# Altium PCB PCB1.PcbDoc (part 1 of 2)
Units mm, origin at the board's own origin, x right, y up, seen from the top; angles counter-clockwise.
Board outline 145 x 85 mm, 2 copper layers (Top Layer, Bottom Layer); 148 components, 104 nets, 508 pads, 93 vias.
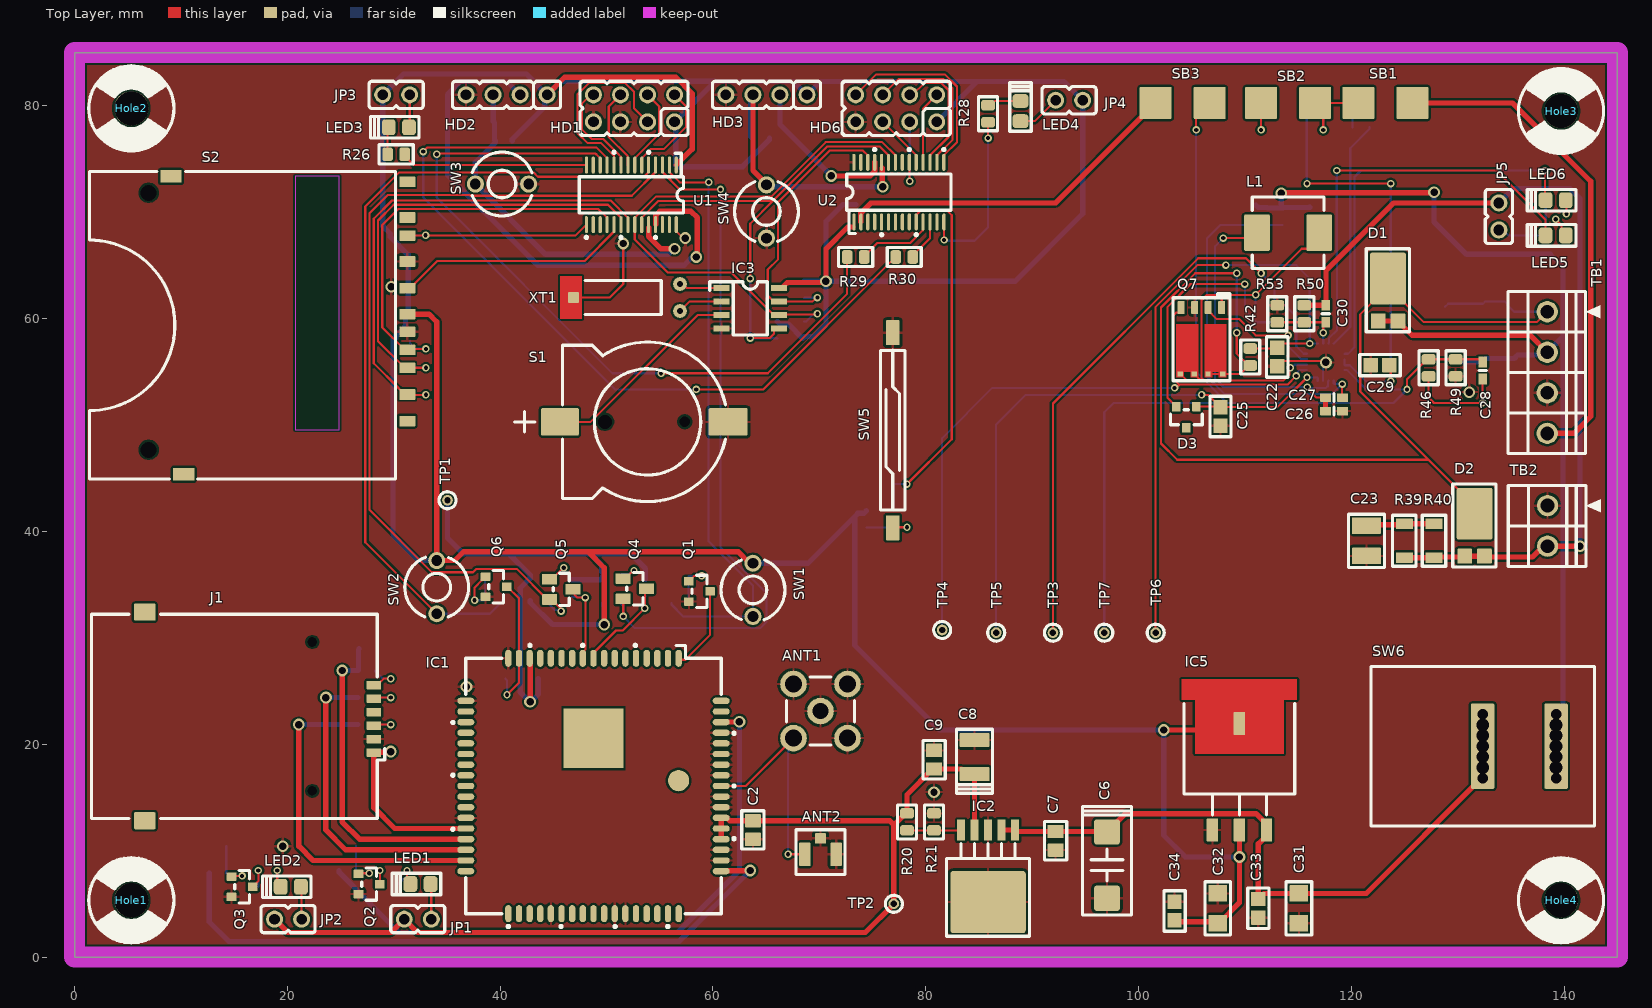
[diagram p0: Top Layer view]
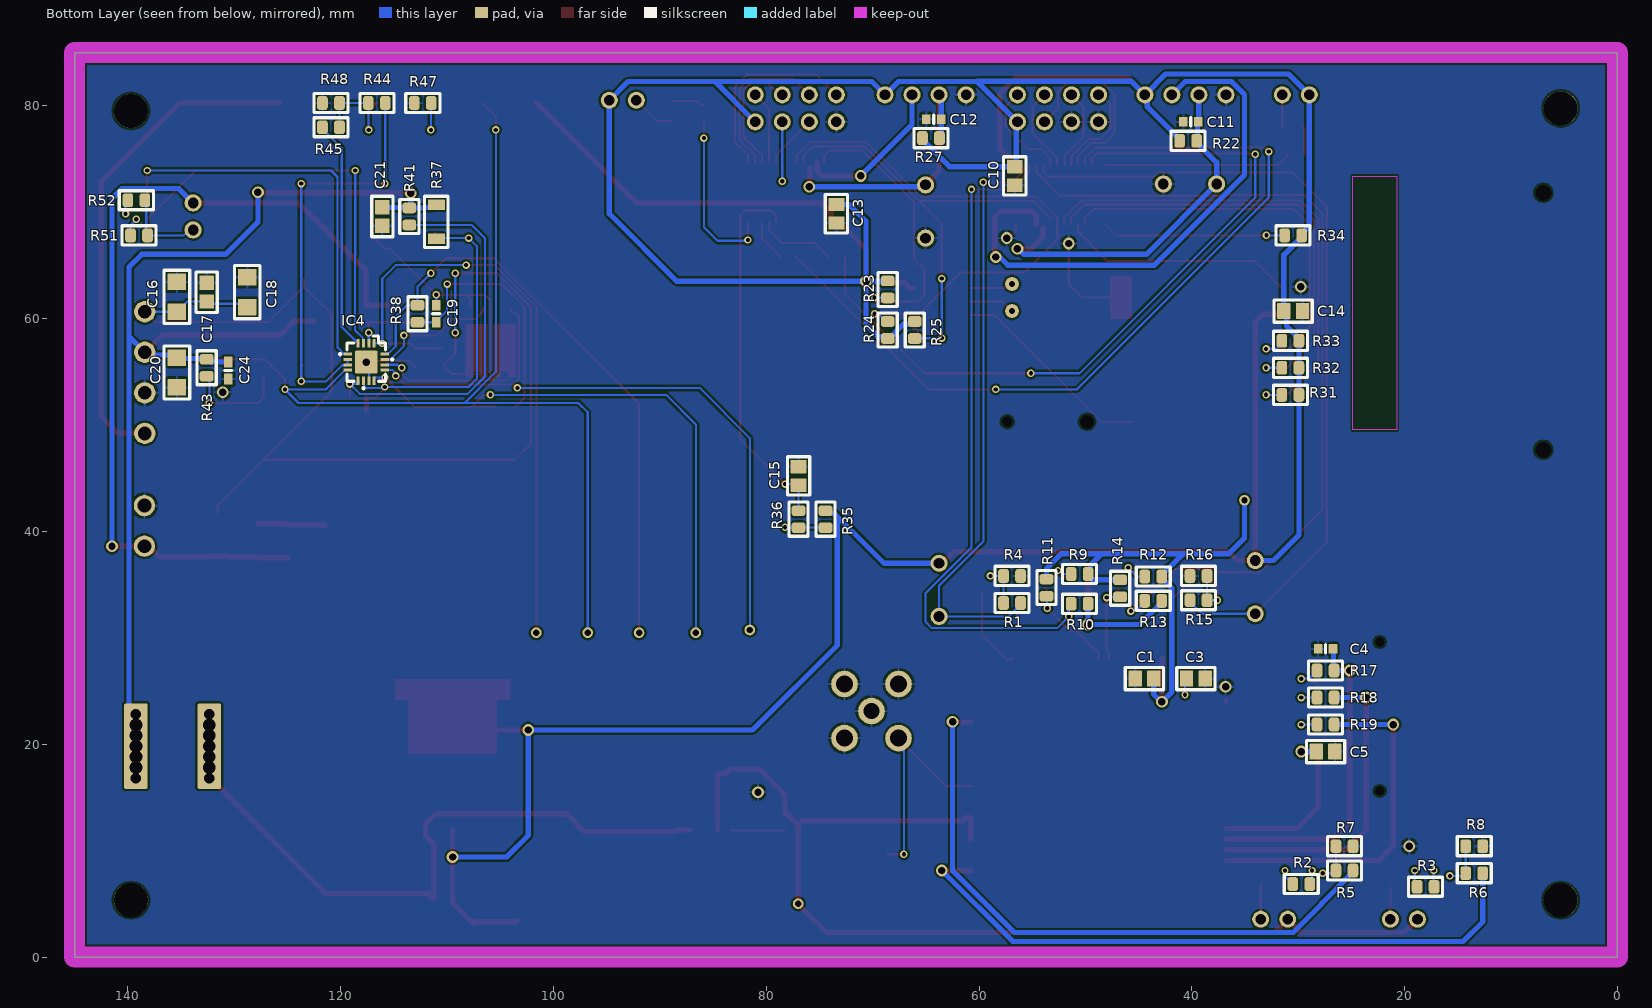
[diagram p1: Bottom Layer view, seen from below]
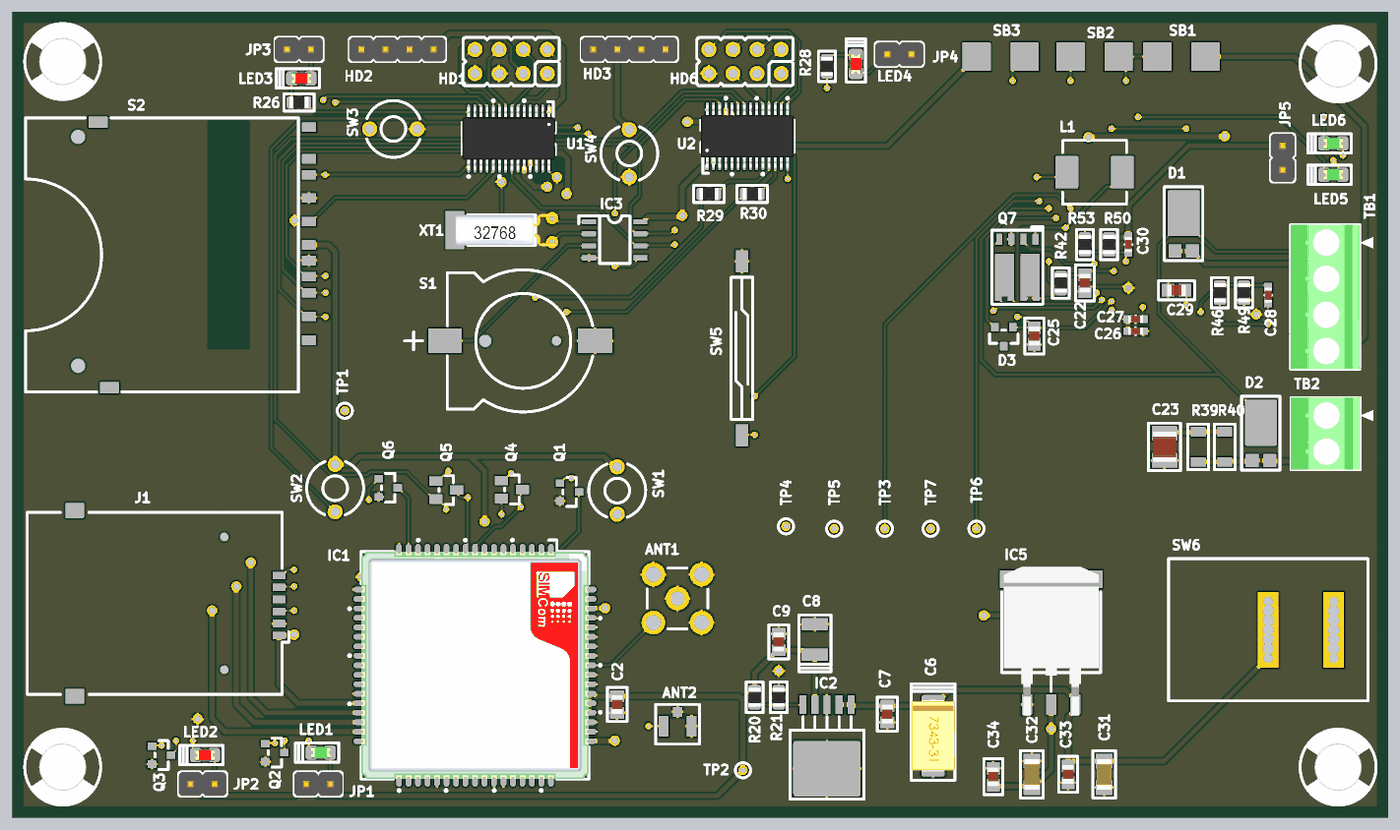
[diagram p3: 3D render of the assembled board from above, using the file's embedded part models]
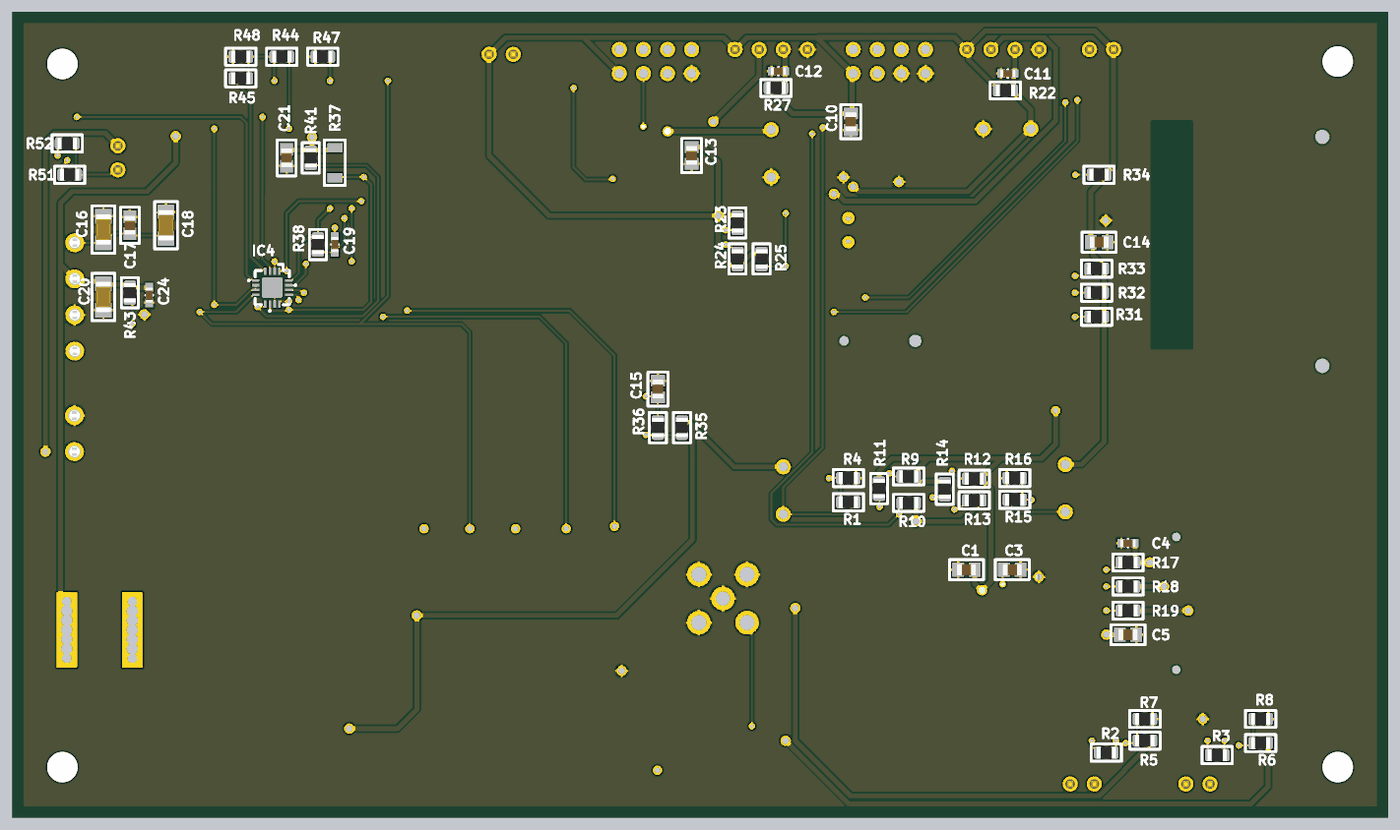
[diagram p4: 3D render of the assembled board from below, using the file's embedded part models]

## Layer stack, top to bottom
Top Solder: solder mask 0.0102, Solder Resist, Dk 3.5
Top Layer: signal copper 0.0356
Dielectric 1: dielectric 0.32, FR-4, Dk 4.8
Bottom Layer: signal copper 0.0356
Bottom Solder: solder mask 0.0102, Solder Resist, Dk 3.5

## Board outline
0,0 0,85 145,85 145,0

## Design rules (kind name [scope] priority, off if disabled: settings)
Clearance [All] p1: gap=0.2 ignorepadtopadclearanceinfootprint=FALSE
PolygonConnect [All] p1: connectstyle=Relief reliefconductorwidth=0.254 reliefentries=4 polygonreliefangle="90 Angle" airgapwidth=0.254
RoutingVias RoutingVias_powerclass [InNetClass('Power_class')] p1: holewidth=0.7 width=1.1 viastyle="Through Hole" minholewidth=0.7 minwidth=1.1 maxholewidth=0.7 maxwidth=1.1
RoutingVias [All] p2: holewidth=0.4 width=0.7 viastyle="Through Hole" minholewidth=0.4 minwidth=0.7 maxholewidth=0.4 maxwidth=0.7
SolderMaskExpansion [All] p1: expansion=0.102 istentingtop=FALSE
Width Powe_width [InNetClass('Power_class')] p1: maxlimit=1 minlimit=0.2 preferedwidth=0.5
Width [All] p2: maxlimit=1 minlimit=0.2 preferedwidth=0.5
30 further rules are at their usual default settings.

## Classes and differential pairs
net class Power_class: 2V8 3V3 GND NETLIGHT RST RST2 SIM_CLK SIM_DATA SIM_RST SIM_VDD STATUS TEST TEST2 VBAT VPIN VPOUT VSIM
component class A-Power: C16 C17 C18 C19 C20 C21 C22 C23 C24 C25 C26 C27 C28 C29 C30 C31 C32 C33 C34 D1 D2 D3 IC4 IC5 JP5 L1 LED5 LED6 Q7 R37 R38 R39 R40 R41 R42 R43 R44 R45 R46 R47 R48 R49 R50 R51 R52 R53 SB1 SB2 SB3 SW6 TB1 TB2 TP3 TP4 TP5 TP6 TP7
component class A-Main: C10 C11 C12 C13 C14 C15 HD1 HD2 HD3 HD6 Hole1 Hole2 Hole3 Hole4 IC3 JP3 JP4 LED3 LED4 R22 R23 R24 R25 R26 R27 R28 R29 R30 R31 R32 R33 R34 R35 R36 S1 S2 SW3 SW4 SW5 U1 U2 XT1
component class A-GSM: ANT1 ANT2 C1 C2 C3 C4 C5 C6 C7 C8 C9 IC1 IC2 J1 JP1 JP2 LED1 LED2 Q1 Q2 Q3 Q4 Q5 Q6 R1 R2 R3 R4 R5 R6 R7 R8 R9 R10 R11 R12 R13 R14 R15 R16 R17 R18 R19 R20 R21 SW1 SW2 TP1 TP2

## Components (designator, comment, footprint, x,y, rotation, side; value= is the part's Value field where it differs from the comment)
ANT1 "ANTEN-SMA" ANT-SMA-ST-F 70.104,23.114 r90 top
ANT2 "ANTEN-IPX" ANT-IPX-SMD 70.104,9.652 r90 top
C1 "100nF/16V" C0805-2012 44.45,26.162 r0 bottom
C2 "100nF/16V" C0805-2012 63.754,11.938 r270 top
C3 "10uF/16V" C0805-2012 39.624,26.162 r180 bottom
C4 "22pF/16V" C0603-1608 27.432,28.956 r0 bottom
C5 "10uF/16V" C0805-2012 27.432,19.304 r180 bottom
C6 "10uF/35V" CAP_TANTA_10UF_35V 97.028,8.636 r270 top
C7 "100nF/50V" C0805-2012 92.202,10.922 r270 top
C8 "330uF/6.3V" CAP_TANTA-3528 84.582,18.796 r90 top
C9 "100nF/50V" C0805-2012 80.772,18.542 r90 top
C10 "100nF/16V" C0805-2012 56.642,73.406 r270 bottom
C11 "1nF/16V" C0603-1608 40.094,78.486 r0 bottom
C12 "1nF/16V" C0603-1608 64.262,78.74 r0 bottom
C13 "100nF/16V" C0805-2012 73.406,69.85 r270 bottom
C14 "10uF/16V" C0805-2012 30.48,60.706 r180 bottom
C15 "10uF/16V" C0805-2012 76.962,45.212 r90 bottom
C16 "10uF/35V" CAP_CERA_C3216(CC1206INCH) 135.382,62.04 r90 bottom
C17 "1uF/35V" CAP_CERA_C2012(CC0805INCH) 132.588,62.484 r90 bottom
C18 "10uF/35V" CAP_CERA_C3216(CC1206INCH) 128.778,62.484 r90 bottom
C19 "0.1uF/50V" CAP_CERA_C1608(CC0603INCH) 110.998,60.452 r90 bottom
C20 "10uF/35V" CAP_CERA_C3216(CC1206INCH) 135.382,54.927 r270 bottom
C21 "1uF/35V" CAP_CERA_C2012(CC0805INCH) 116.078,69.596 r270 bottom
C22 "1uF/35V" CAP_CERA_C2012(CC0805INCH) 113.03,56.388 r270 top
C23 "2.2uF/35V" CAP_CERA_C3225(CC1210) 121.412,39.116 r270 top
C24 "0.1uF/50V" CAP_CERA_C1608(CC0603INCH) 130.556,55.118 r90 bottom
C25 "1uF/16V" CAP_CERA_C2012(CC0805INCH) 107.696,50.8 r90 top
C26 "0.1uF/50V" CAP_CERA_C1608(CC0603INCH) 118.364,51.308 r0 top
C27 "0.1uF/16V" CAP_CERA_C1608(CC0603INCH) 118.364,52.578 r0 top
C28 "22pF/50V" CAP_CERA_C1608(CC0603INCH) 132.334,55.118 r90 top
C29 "1uF/16V" CAP_CERA_C2012(CC0805INCH) 122.682,55.626 r0 top
C30 "22pF/50V" CAP_CERA_C1608(CC0603INCH) 117.602,60.452 r270 top
C31 "10uF/16V" CAP_CERA_C3216(CC1206INCH) 115.062,4.572 r270 top
C32 "10uF/16V" CAP_CERA_C3216(CC1206INCH) 107.442,4.572 r90 top
C33 "100nF/50V" CAP_CERA_C2012(CC0805INCH) 111.252,4.572 r270 top
C34 "100nF/50V" CAP_CERA_C2012(CC0805INCH) 103.378,4.318 r90 top
D1 "PDS1040" PDS1040 123.444,63.754 r0 top
D2 "PDS1040" PDS1040 131.572,41.656 r0 top
D3 "ZLLS1000TA" ZLLS1000 104.482,50.726 r180 top
HD1 "Header 4x2" HeaderSP_4x2 52.578,79.756 r180 top
HD2 "MCU01" Header_4 40.602,81.026 r180 top
HD3 "MCU02" Header_4 65.024,81.026 r180 top
HD6 "Header 4x2" HeaderSP_4x2 77.216,79.756 r180 top
Hole1 "Pad Big" "Screw 3.0" 5.334,5.334 r0 top
Hole2 "Pad Big" "Screw 3.0" 5.334,79.756 r0 top
Hole3 "Pad Big" "Screw 3.0" 139.7,79.502 r0 top
Hole4 "Pad Big" "Screw 3.0" 139.7,5.334 r0 top
IC1 "SIM900A/SIMCOM" SIM900A 48.768,16.074 r270 top
IC2 "MIC29302/TO252-5" MIC29302A 88.392,11.938 r180 top
IC3 "BQ32000/8-SOIC" RTC-BQ32000 63.5,60.96 r270 top
IC4 "BQ24650/16VQFN" BQ24650-16VQFN 116.84,57.658 r0 bottom
IC5 "LM1086 (3.3V)" LM1086 109.474,11.938 r0 top
J1 "SIM-FMS006-2620-0" SIM-FMS006-2620-0 22.352,22.606 r270 top
JP1 "JP2-ShortingJumper" Header_2 32.258,3.556 r180 top
JP2 "JP2-ShortingJumper" Header_2 20.066,3.556 r180 top
JP3 "JP2-ShortingJumper" Header_2 30.226,81.026 r180 top
JP4 "JP2-ShortingJumper" Header_2 93.472,80.518 r0 top
JP5 "JP2-ShortingJumper" Header_2 133.858,69.596 r90 top
L1 "10uH/3A" IHLP-2525CZ-01 114.046,68.072 r180 top
LED1 "GREEN" "Led 0805G" 32.512,6.858 r180 top
LED2 "RED" "Led 0805R" 20.32,6.604 r180 top
LED3 "RED" "Led 0805R" 30.48,77.978 r180 top
LED4 "RED" "Led 0805R" 88.9,79.502 r90 top
LED5 "GREEN" "Led 0805G" 139.192,67.818 r180 top
LED6 "GREEN" "Led 0805G" 139.192,71.12 r180 top
Q1 "MMBT2222A" MMBT2222A 58.736,34.354 r270 top
Q2 "MMBT2222A" MMBT2222A 27.686,6.858 r270 top
Q3 "MMBT2222A" MMBT2222A 15.748,6.604 r270 top
Q4 "NDS331N" NDS331N 52.656,34.614 r270 top
Q5 "NDS331N" NDS331N 45.739,34.552 r270 top
Q6 "MMBT2222A" MMBT2222A 39.624,34.798 r270 top
Q7 "IPG20N04S4-12" PG-TDSON-8-4 105.918,57.912 r180 top
R1 "" RESC2012(0805) 56.896,33.274 r0 bottom
R2 "" RESC2012(0805) 29.718,6.858 r0 bottom
R3 "" RESC2012(0805) 18.034,6.604 r0 bottom
R4 "" RESC2012(0805) 56.896,35.814 r180 bottom
R5 "" RESC2012(0805) 25.654,8.128 r180 bottom
R6 "" RESC2012(0805) 13.462,7.874 r180 bottom
R7 "" RESC2012(0805) 25.654,10.414 r180 bottom
R8 "" RESC2012(0805) 13.462,10.414 r180 bottom
R9 "" RESC2012(0805) 50.546,35.99 r180 bottom
R10 "" RESC2012(0805) 50.546,33.196 r0 bottom
R11 "" RESC2012(0805) 53.656,34.714 r270 bottom
R12 "" RESC2012(0805) 43.629,35.758 r180 bottom
R13 "" RESC2012(0805) 43.629,33.472 r0 bottom
R14 "" RESC2012(0805) 46.739,34.652 r270 bottom
R15 "" RESC2012(0805) 39.37,33.528 r180 bottom
R16 "" RESC2012(0805) 39.37,35.814 r0 bottom
R17 "" RESC2012(0805) 27.432,26.924 r180 bottom
R18 "" RESC2012(0805) 27.432,24.384 r180 bottom
R19 "" RESC2012(0805) 27.432,21.844 r180 bottom
R20 "" RESC2012(0805) 78.232,12.7 r270 top
R21 "" RESC2012(0805) 80.772,12.7 r270 top
R22 "" RESC2012(0805) 40.348,76.708 r0 bottom
R23 "" RESC2012(0805) 68.58,62.738 r90 bottom
R24 "" RESC2012(0805) 68.58,58.928 r270 bottom
R25 "" RESC2012(0805) 66.04,58.928 r90 bottom
R26 "" RESC2012(0805) 30.226,75.438 r0 top
R27 "" RESC2012(0805) 64.516,76.962 r0 bottom
R28 "" RESC2012(0805) 85.852,79.248 r270 top
R29 "" RESC2012(0805) 73.406,65.786 r180 top
R30 "" RESC2012(0805) 77.978,65.786 r180 top
R31 "" RESC2012(0805) 30.734,52.832 r180 bottom
R32 "" RESC2012(0805) 30.734,55.372 r180 bottom
R33 "" RESC2012(0805) 30.734,57.912 r180 bottom
R34 "" RESC2012(0805) 30.48,67.818 r180 bottom
R35 "" RESC2012(0805) 74.422,41.148 r270 bottom
R36 "" RESC2012(0805) 76.962,41.148 r270 bottom
R37 "" RES-1206-3216MM 110.998,69.088 r90 bottom
R38 "" RESC2012(0805) 112.776,60.452 r270 bottom
R39 "" RES-1206-3216MM 124.968,39.116 r90 top
R40 "" RES-1206-3216MM 127.762,39.116 r90 top
R41 "" RESC2012(0805) 113.538,69.596 r270 bottom
R42 "" RESC2012(0805) 110.49,56.388 r90 top
R43 "" RESC2012(0805) 132.588,55.372 r270 bottom
R44 "" RESC2012(0805) 116.586,80.264 r0 bottom
R45 "" RESC2012(0805) 120.904,77.978 r0 bottom
R46 "360K" RESC2012(0805) 127.254,55.372 r270 top
R47 "" RESC2012(0805) 112.268,80.264 r0 bottom
R48 "" RESC2012(0805) 120.904,80.264 r0 bottom
R49 "" RESC2012(0805) 129.794,55.372 r270 top
R50 "" RESC2012(0805) 115.57,60.452 r270 top
R51 "" RESC2012(0805) 138.938,67.818 r0 bottom
R52 "" RESC2012(0805) 139.192,71.12 r0 bottom
R53 "" RESC2012(0805) 113.03,60.452 r270 top
S1 "BAT-HOLDER/CR1220/TME" Socket-PIN-BC501SM-TR 53.848,50.292 r180 top
S2 "SD-CARD/PUSH-PULL" SD-CARD 19.116,59.364 r180 top
SB1 "Not connect" "head PAD" 123.19,80.264 r0 top
SB2 "Connect" "head PAD" 114.046,80.264 r180 top
SB3 "Connect" "head PAD" 104.14,80.264 r0 top
SW1 "PKEY" BTN-EVQ-11A04M 63.754,32.004 r90 top
SW2 "NRST" BTN-EVQ-11A04M 34.036,32.258 r90 top
SW3 "RESET" BTN-EVQ-11A04M 42.672,72.644 r180 top
SW4 "RESET" BTN-EVQ-11A04M 65.024,67.564 r90 top
SW5 "SW-REED/SPST/NO/350mA" SWITCH-SDSM 76.896,58.672 r270 top
SW6 "ON/OFF" SW-POWER 132.334,19.812 r180 top
TB1 "TERM BLOCK" MKDS-DOMINO-4-PIN 138.4,60.642 r270 top
TB2 "TERM BLOCK" MKDS-DOMINO-2-PIN 138.43,42.418 r270 top
TP1 "Test Point" Test_point_VIA06 35.052,42.926 r0 top
TP2 "Test Point" Test_point_VIA06 77,5 r90 top
TP3 "Test Point" Test_point_VIA06 91.948,30.48 r90 top
TP4 "Test Point" Test_point_VIA06 81.534,30.734 r90 top
TP5 "Test Point" Test_point_VIA06 86.614,30.48 r90 top
TP6 "Test Point" Test_point_VIA06 101.6,30.48 r90 top
TP7 "Test Point" Test_point_VIA06 96.774,30.48 r90 top
U1 "MSP430G2553IPW28R" MSP430G2253IPW28R 52.324,71.628 r180 top
U2 "MSP430G2553IPW28R" MSP430G2253IPW28R 77.47,71.882 r0 top
XT1 "32768Hz" CR_32768 56.896,61.976 r90 top

## Footprints (in the part's own frame and the unit in brackets; to place one, negate y for a bottom-side part, rotate by r counter-clockwise, add the part's x,y. Pads: shape width x height; smd on the part's side, far side on the other; paste and mask are expansions set on the pad)
ANT-IPX-SMD [mm] "0­6GHz GSM,  GPRS & CDMA mobile Phones"
  rrect10% 2.2x1.05 smd mask+0.1: 1(0,1.475) 2(0,-1.475)
  rrect10% 1x1 smd mask+0.1: 3(1.5,0)
  silkscreen extent -1.9,-2.3 2.3,2.3
ANT-SMA-ST-F [mm] "SMA Straight PCB Female Connector 50 ohm"
  round 2.5 hole 1.6 mask+0.1: 1(-2.54,2.54) 2(-2.54,-2.54) 3(2.54,-2.54) 4(2.54,2.54)
  round 2.5 hole 1.5 mask+0.1: 5(0,0)
  silkscreen extent -3.2,-3.2 3.2,3.2
BQ24650-16VQFN [mm] "Chargeing the battery"
  rrect10% 0.28x0.8 smd mask+0.07: 1(0,0) 2(0.5,0) 3(1,0) 4(1.5,0) 9(1.5,3.5) 10(1,3.5) 11(0.5,3.5) 12(0,3.5)
  rrect10% 0.8x0.28 smd mask+0.07: 5(2.5,1) 6(2.5,1.5) 7(2.5,2) 8(2.5,2.5) 13(-1,2.5) 14(-1,2) 15(-1,1.5) 16(-1,1)
  rrect10% 2.14x2.14 smd mask+0.07: PAD(0.75,1.75)
  silkscreen extent -1.75,-0.7 3.25,4.25
BTN-EVQ-11A04M [mm] "PIN TO PIN 5, W=6MM"
  round 1.6 hole 1: 1(0,0) 2(5,0)
  silkscreen extent -0.3,-3 5.3,3
C0603-1608 [mm] "Chip Capacitor, Body 1.6x0.8mm, 1608"
  rrect10% 0.8x0.9 smd: 1(-0.7,0) 2(0.7,0)
  silkscreen extent 0,-0.4 0,0.4, body extent -0.8,-0.4 0.8,0.4, height 0.6
C0805-2012 [mm] "Chip Capacitor, 2-Leads, Body 2.0x1.3mm, IPC Medium Density"
  rrect10% 1.25x1.5 smd: 1(-0.875,0) 2(0.875,0)
  silkscreen extent -1.8,-1.05 1.8,1.05, body extent -1,-0.6 1,0.6, height 0.95
CAP_CERA_C1608(CC0603INCH) [mm] "Chip Capacitor, 2-Leads, Body 2.0x1.3mm, IPC Medium Density"
  rrect5% 1x0.8 smd mask+0.1: 1(-0.8,0) 2(0.8,0)
  silkscreen extent 0,-0.35 0,0.35, body extent -0.8,-0.4 0.8,0.4, height 0.6
CAP_CERA_C2012(CC0805INCH) [mm] "Chip Capacitor, 2-Leads, Body 2.0x1.3mm, IPC Medium Density"
  rrect5% 1.35x1.35 smd mask+0.1: 1(-0.875,0) 2(0.875,0)
  silkscreen extent -1.9,-1 1.9,1, body extent -1,-0.6 1,0.6, height 0.95
CAP_CERA_C3216(CC1206INCH) [mm] "Ceramic Chip Capacitor, Body 32x16mm, C3216 (CC1206)"
  rrect5% 1.55x1.75 smd mask+0.1: 1(-1.4,0) 2(1.4,0)
  silkscreen extent -2.5,-1.2 2.5,1.2, body extent -1.6,-0.8 1.6,0.8, height 1
CAP_CERA_C3225(CC1210) [mm] "CC1210KKX7R6  BB476"
  rrect5% 1.55x2.7 smd mask+0.1: 1(-1.425,0) 1(-1.425,0) 2(1.425,0)
  silkscreen extent -2.5,-1.7 2.5,1.7, body extent -1.6,-1.25 1.6,1.25, height 1.3
CAP_TANTA-3528 [mm] "35X28MM"
  rrect10% 1.3x2.8 smd mask+0.1: 1(-1.6,0) 2(1.6,0)
  silkscreen extent -3.4,-1.7 2.6,1.7
CAP_TANTA_10UF_35V [mm] "CAP TANTALUM 7343-31"
  rrect20% 2.37x2.43 smd: 1(-3.12,0) 2(3.12,0)
  silkscreen extent -5.5,-2.3 4.7,2.3, body extent -3.8,-2.3 3.8,2.3, height 3.1
CR_32768 [mm] "32.768 KHz LOW FREQUENCY CYLINDRICALWATCH CRYSTAL"
  rrect10% 1x1 smd mask+0.1: 0(0,10)
  round 1.3 hole 0.6 mask+0.1: 1(-1.27,0) 2(1.27,0)
  Top Layer region: -2,9.25 -2,11.25 2,11.25 2,9.25
  silkscreen extent -1.59,1.75 1.59,8.9, body extent -1.73,-0.6 1.73,10.18, height 3.2
"head PAD" [mm] "head PAD"
  rrect5% 3x3 smd mask+0.1: 1(-2.54,0) 2(2.54,0)
Header_2 [mm] "Connector DIP, 2Pin_2.54mm"
  round 1.6 hole 1 mask+0.1: 1(-1.27,0) 2(1.27,0)
  silkscreen extent -2.54,-1.28 2.54,1.28, body extent -2.54,-1.27 2.54,1.27, height 10.1
Header_4 [mm] "Connector DIP, 4Pin_2.54mm"
  round 1.6 hole 1 mask+0.1: 1(-3.81,0) 2(-1.27,0) 3(1.27,0) 4(3.81,0)
  silkscreen extent -5.08,-1.28 5.08,1.28, body extent -5.08,-1.27 5.08,1.27, height 10.1
HeaderSP_4x2 [mm] "Connector DIP FeMale, 2x4Pin_2.54mm"
  round 1.6 hole 1 mask+0.1: 1(-3.81,1.27) 2(-1.27,1.27) 3(1.27,1.27) 4(3.81,1.27) 5(3.81,-1.27) 6(1.27,-1.27) 7(-1.27,-1.27) 8(-3.81,-1.27)
  silkscreen extent -5.08,-2.55 5.08,2.55
IHLP-2525CZ-01 [mil] "Low-Profile, High-Current IHLP® Inductor"
  rrect10% 95x135 smd mask+3.94: 1(-115,0) 2(115,0)
  silkscreen extent -132,-132 132,132
"Led 0805G" [mm] "Chip LED; Green; Body 2.0 x 1.3 mm (LxW typ)"
  rrect50% 1.3x1.5 smd: 1(-0.95,0) 2(0.95,0)
  silkscreen extent -1.91,-1.02 2.67,1.02, body extent -1.04,-0.62 0.98,0.62, height 1.1
"Led 0805R" [mm] "Chip LED; RED ; Body 2.0 x 1.3 mm (LxW typ)"
  rrect50% 1.3x1.5 smd: 1(-0.95,0) 2(0.95,0)
  silkscreen extent -1.91,-1.02 2.67,1.02, body extent -1.01,-0.63 1.01,0.62, height 1.1
LM1086 [mm] "TO-263 1.5A Low Dropout Positive Regulators"
  rrect10% 1.07x2.16 smd mask+0.1: 1(-2.54,0) 2(0,0) 3(2.54,0)
  rrect10% 1.07x2.16 smd mask+0: TAB(0,10)
  Top Layer region: -5.4,14.17 5.4,14.17 5.4,12.26 4.165,12.26 4.165,7.18 -4.165,7.18 -4.165,12.26 -5.4,12.26
  silkscreen extent -5.21,1.4 5.21,11.88, body extent -5,-1.15 5,14.52, height 4.78
MIC29302A [mm] "MIC29302AWD TO-252-D"
  rrect10% 0.76x2 smd mask+0.1: 1(0,0) 2(1.27,0) 3(2.54,0) 4(3.81,0) 5(5.08,0)
  rrect10% 7.1x5.85 smd mask+0.1: 6(2.54,6.775)
  silkscreen extent -1.36,1.3 6.44,9.99
MKDS-DOMINO-2-PIN [mm] "DOMINO 2 PIN, PIN TO PIN 3.81MM"
  round 2 hole 1.3 mask+0.1: 1(0,0) 2(3.81,0)
  silkscreen extent -1.9,-3.7 5.72,5, body extent -1.91,-3.7 5.72,3.6, height 8.5
MKDS-DOMINO-4-PIN [mm] "DOMINO 4 PIN, PIN TO PIN 3.81MM"
  round 2 hole 1.3 mask+0.1: 1(0,0) 2(3.81,0) 3(7.62,0) 4(11.43,0)
  silkscreen extent -1.9,-3.7 13.33,5, body extent -1.92,-3.7 13.32,3.6, height 8.5
MMBT2222A [mm] "SOT-23"
  rrect10% 0.8x0.9 smd mask+0.1: 1(-0.95,-1) 2(0.95,-1) 3(0,1)
  silkscreen extent -1.52,-0.7 1.52,0.7
MSP430G2253IPW28R [mm] "TSSOP PW 28  PIN TO PIN 0.65"
  oval 0.3x1.6 smd mask+0.1: 1(-4.225,-2.8) 2(-3.575,-2.8) 3(-2.925,-2.8) 4(-2.275,-2.8) 5(-1.625,-2.8) 6(-0.975,-2.8) 7(-0.325,-2.8) 8(0.325,-2.8) 9(0.975,-2.8) 10(1.625,-2.8) 11(2.275,-2.8) 12(2.925,-2.8) 13(3.575,-2.8) 14(4.225,-2.8) 15(4.225,2.8) 16(3.575,2.8) 17(2.925,2.8) 18(2.275,2.8) 19(1.625,2.8) 20(0.975,2.8) 21(0.325,2.8) 22(-0.325,2.8) 23(-0.975,2.8) 24(-1.625,2.8) 25(-2.275,2.8) 26(-2.925,2.8) 27(-3.575,2.8) 28(-4.225,2.8)
  silkscreen extent -4.9,-4.1 4.9,4.1, body extent -4.9,-3.31 4.9,3.31, height 1.2
NDS331N [mm] "SuperSOT-3 N channel Mode FET"
  rrect10% 1x1.4 smd mask+0.1: 1(-0.95,-1.1) 2(0.95,-1.1) 3(0,1.1)
  silkscreen extent -1.52,-0.76 1.52,0.76
PDS1040 [mm] "DIOD 10A SCHOTTKY BARRIER RECTIFIER"
  rrect10% 1.39x1.4 smd: 1(0.92,-3.982) 2(-0.92,-3.982)
  rrect10% 3.36x4.86 smd mask+0.1: 3(0,0.006)
  silkscreen extent -2.04,-5 2.01,2.8
PG-TDSON-8-4 [mm] "Dual N-Channel MOSFET"
  rrect10% 0.65x1.2 smd mask+0.1: 1(-1.89,-3.125) 2(-0.62,-3.125) 3(0.65,-3.125) 4(1.92,-3.125)
  rrect10% 0.5x0.5 smd mask+0.1: 5(2,3.125) 6(0.7,3.125) 7(-0.6,3.125) 8(-2,3.125)
  Top Layer region: -1.635,2.925 -1.635,3.425 -2.335,3.425 -2.335,-1.575 -0.3,-1.575 -0.3,3.425 -1,3.425 -1,2.925
  Top Layer region: 0.33,-1.575 0.33,3.425 1.03,3.425 1.03,2.925 1.665,2.925 1.665,3.425 2.365,3.425 2.365,-1.575
  silkscreen extent -2.68,-4.45 2.68,3.75
RES-1206-3216MM [mm] "32X16MM"
  rrect10% 1x1.6 smd mask+0.1: 1(-1.592,0) 2(1.592,0)
  silkscreen extent -2.4,-1.1 2.4,1.1
RESC2012(0805) [mm] "Chip Resistor, Body 2.0x1.3mm, 1/8W 0805"
  rrect50% 1x1.3 smd: 1(-0.8,0) 2(0.8,0)
  silkscreen extent -1.6,-0.9 1.6,0.9, body extent -1,-0.63 1,0.63, height 0.6
RTC-BQ32000 [mm] "8-SOIC"
  rrect10% 0.55x1.5 smd mask+0.1: 1(-1.905,-2.7) 2(-0.635,-2.7) 3(0.635,-2.7) 4(1.905,-2.7) 5(1.905,2.7) 6(0.635,2.7) 7(-0.635,2.7) 8(-1.905,2.7)
  silkscreen extent -2.5,-3.8 2.5,1.6
"Screw 3.0" [mm] "Hole 3.0mm"
  round 3.2 hole 3.2 mask+0.1: 1(0,0)
  silkscreen extent -4,-4 4,4, body extent -2.5,-2.5 2.5,2.5, height 1.73
SD-CARD [mm]
  rrect10% 1.5x1 smd mask+0.1: 1(-12.155,6.5) 2(-12.155,4) 3(-12.155,0.6) 4(-12.155,-1.05) 5(-12.155,-3.5) 6(-12.155,-6) 7(-12.155,-8.43) 8(-12.155,-10.13) 9(-12.155,9) CD(-12.155,2.3)
  rrect10% 2x1.2 smd mask+0.1: GND1(10.055,-14) GND2(8.855,14)
  round 0 hole 1.5 mask+0.1: HOLE(12.155,-12.45) HOLE1(12.155,11.7)
  rrect10% 1.5x1 smd: WP(-12.155,-13.48)
  Keep-Out Layer region: -5.745,-14 -1.645,-14 -1.645,9.8 -5.745,9.8
  silkscreen extent -11.05,-14.45 17.7,14.45
SIM900A [mm] "SIM900A_SMD"
  oval 1.6x0.6 smd: 1(-12,8) 2(-12,7) 3(-12,6) 4(-12,5) 5(-12,4) 6(-12,3) 7(-12,2) 8(-12,1) 9(-12,0) 10(-12,-1) 11(-12,-2) 12(-12,-3) 13(-12,-4) 14(-12,-5) 15(-12,-6) 16(-12,-7) 17(-12,-8) 35(12,-8) 36(12,-7) 37(12,-6) 38(12,-5) 39(12,-4) 40(12,-3) 41(12,-2) 42(12,-1) 43(12,0) 44(12,1) 45(12,2) 46(12,3) 47(12,4) 48(12,5) 49(12,6) 50(12,7) 51(12,8)
  oval 0.6x1.6 smd: 18(-8,-12) 19(-7,-12) 20(-6,-12) 21(-5,-12) 22(-4,-12) 23(-3,-12) 24(-2,-12) 25(-1,-12) 26(0,-12) 27(1,-12) 28(2,-12) 29(3,-12) 30(4,-12) 31(5,-12) 32(6,-12) 33(7,-12) 34(8,-12) 52(8,12) 53(7,12) 54(6,12) 55(5,12) 56(4,12) 57(3,12) 58(2,12) 59(1,12) 60(0,12) 61(-1,12) 62(-2,12) 63(-3,12) 64(-4,12) 65(-5,12) 66(-6,12) 67(-7,12) 68(-8,12)
  round 2 smd mask+0.1: 69(-0.5,8)
  round 2 on Mech1 mask+0.1: 69(-0.5,8)
  rect 5.6x5.6 smd mask+0.1: 70(-4.5,0)
  rect 5.6x5.6 on Mech1 mask+0.1: 70(-4.5,0)
  silkscreen extent -13.33,-13.33 13.33,13.33, body extent -12,-12 12,12, height 3.02
SIM-FMS006-2620-0 [mm] "KHE SIM"
  rrect10% 0.8x1.35 smd mask+0.1: 1(3.4,5.775) 2(0.86,5.775) 3(-1.68,5.775) 5(2.13,5.775) 6(-0.41,5.775) 7(-2.95,5.775)
  rrect10% 0x0 hole 0.9 mask+0.1: HOLE1(-7,0) HOLE2(7,0)
  rrect10% 1.6x2 smd mask+0.1: PAD1(-9.8,-15.75) PAD2(9.8,-15.75)
  silkscreen extent -9.6,-20.75 9.6,6.8
Socket-PIN-BC501SM-TR [mm] "coin cell holder for CR1220"
  rrect10% 3.54x2.6 smd mask+0.1: 1(8.23,0)
  rrect10% 3.66x2.6 smd mask+0.1: 2(-7.57,0)
  round 0 hole 1 mask+0.1: hole1(-3.5,0)
  round 0 hole 1.3 mask+0.1: hole2(4,0)
  silkscreen extent -7.33,-7.5 12.5,7.5
SW-POWER [mm] "switch power"
  rrect10% 2.2x2 hole 1 mask+0.1: 1(-6.9,-3) 1(-6.9,3) 2(0,3) 2(0,-3)
  rrect10% 2.2x1.3 hole 1.2 mask+0.1: 1(-6.9,-2) 1(-6.9,-1) 1(-6.9,0) 1(-6.9,1) 1(-6.9,2) 2(0,2) 2(0,1) 2(0,0) 2(0,-1) 2(0,-2)
  silkscreen extent -10.5,-7.5 10.5,7.5
SWITCH-SDSM [mm] "MDSM-4 15.3mm Surface Mount Reed Switch"
  rrect10% 2.34x1.3 smd mask+0.1: 1(0,0) 2(18.34,0)
  silkscreen extent 1.65,-1.14 16.67,1.14
Test_point_VIA06 [mm] "Test point do not mount"
  round 1 hole 0.6: 1(0,0)
  silkscreen extent -0.8,-0.8 0.8,0.8
ZLLS1000 [mm] "40V HIGH CURRENT LOW LEAKAGE SCHOTTKY DIODE"
  rrect10% 0.8x0.9 smd mask+0.1: 1(-0.95,-1) 2(0.95,-1) 3(0,1)
  silkscreen extent -1.5,-0.7 1.5,0.7

## Part data
ANT1: "SMA Right-Angle PCB Female Antenna"
ANT2: "IPX, SMD, ANTENNA"
C1 C2 C10 C13: library part CAP-CER/100nF/16V/X7R/0805, "CAP CER 0.1UF 16V X7R 0805"
C3 C5 C14 C15: library part CAP-CER/10UF/16V/X5R/0805, "CAP CER 10UF 16V X5R 0805"
C4: library part CAP-CER/22pF/16V/NP0/0603, "CAP CER 22PF 16V NP0 0603"
C6: library part CAP-TANT/10uF/35V/2413, "CAP TANT 10UF 35V 10% 2413"
C7 C9: library part CAP-CER/100nF/50V/X7R/0805, "CAP CER 0.1UF 50V X7R 0805"
C8: library part CAP-TANT/330uF/6.3V/3528, "CAP TAN 330UF 20% 6V 3528-21"
C11 C12: library part CAP-CER/1nF/16V/X7R/0603, "CAP CER 1000PF 16V X7R 0603"
C16 C18 C20: library part CAP-CER/10uF/35V/X7R-1206, "CAP CER 10UF 35V X7R 1206"
C17 C21 C22: library part CAP-CER/1uF/35V/X7R/0805, "CAP CER 1UF 35V X7R 0805"
C19 C24 C26: library part CAP-CER/0.1uF/50V/X7R/0603, "CAP CER 0.1UF 50V X7R 0603"
C23: library part CAP-CER/2.2uF/35V/X7R/1210, "CAP CER 2.2UF 35V X7R 1210"
C25 C29: library part CAP-CER/1uF/16V/X7R/0805, "CAP CER 1UF 16V X7R 0805"
C27: library part CAP-CER/0.1uF/16V/X7R/0603, "CAP CER 0.1UF 16V X7R 0603"
C28 C30: library part CAP-CER/22pF/50V/X7R/0603, "CAP CER 22PF 50V X7R 0603"
C31 C32: library part CAP-TANT/10uF/16V/1206, "CAP TANT 10UF 16V 10% 1206"
C33 C34: library part CAP-CER/100nF/50V/X7R-0805, "CAP CER 0.1UF 50V X7R 0805"
D1 D2: library part DIODE-PDS1040/POWERDI5, "DIODE SCHOTTKY 40V 10A POWERDI5"
D3: library part DIODE-ZLLS1000TA/SOT23-3, "DIODE SCHOTTKY 40V 1.16A SOT23-3"
HD1 HD6: library part HED-4X2/MALE/2.54MM-B, "HEADER, 4X2, 2.54MM, MALE"
HD2 HD3: library part Hed4, "Header 4"
Hole1 Hole2 Hole3 Hole4: library part Pad_Big
IC1: "SIM900A, Dual-band GSM/GPRS 900/1800MHz Module"
IC2: "IC REG LDO ADJ 3A TO252-5"
IC3: "IC RTC CLK/CALENDAR I2C 8-SOIC"
IC4: "IC SYNC SW-MODE BAT CHRGR 16VQFN"
IC5: library part LM1086CS-3.3/NOPB, "IC REG LDO 3.3V 1.5A DDPAK"
J1: "SIM Card Conn 6-Pin Top, Mount, Push-Push"
JP1 JP2 JP3 JP4 JP5: "2.54mm 2-Pin Shorting Jumper"
L1: library part IND-10uH/3A/105mOHM, "FIXED IND 10UH 3A 105mOHM SMD"
LED1 LED5 LED6: library part LED-GREEN/CLEAR/0805, "LED GREEN CLEAR 0805 SMD"
LED2 LED3 LED4: library part LED-RED/CLEAR/0805, "LED RED CLEAR 0805 SMD"
Q1 Q2 Q3 Q6: library part BJT-MMBT2222A/SOT23, "TRANS NPN 40V 0.6A SOT23"
Q4 Q5: library part MOSFET-NDS331N/SSOT3, "MOSFET N-CH 20V 1.3A SSOT3"
Q7: library part MOSFET-IPG20N04S4/TDSON8, "MOSFE,T 2N-CH, 40V 20A TDSON-8 OptiMOS-T2"
R1 R5 R6 R15 R23 R24 R25: library part RES-0805/±5%, "RES SMD 4.7K OHM 5% 1/8W 0805"
R2 R3 R26 R28: library part RES-0805/±5%, "RES SMD 330 OHM 5% 1/8W 0805"
R4 R7 R8 R16 R21 R22 R27 R31 R32 R33 R34: library part RES-0805/±5%, "RES SMD 47K OHM 5% 1/8W 0805"
R9 R10 R11 R12 R13 R14 R35 R47 R51 R52: library part RES-0805/±5%, "RES SMD 10K OHM 5% 1/8W 0805"
R17 R18 R19: library part RES-0805/±5%, "RES SMD 22 OHM 5% 1/8W 0805"
R20: library part RES-0805/±5%, "RES SMD 100K OHM 5% 1/8W 0805"
R29 R30 R36: library part RES-0805/±5%, "RES SMD 1K OHM 5% 1/8W 0805"
R37: library part RES-1206/±1%, "RES SMD 0.02 OHM 1% 1W 1206"
R38: library part RES-0805/±5%, "RES SMD 2.2 OHM 5% 1/8W 0805"
R39 R40: library part RES-1206/±5%, "RES SMD 3.9 OHM 1% 1/4W 1206"
R41 R43: library part RES-0805/±5%, "RES SMD 0.0 OHM JUMPER 1/8W 0805"
R42: library part RES-0805/±5%, "RES SMD 10 OHM 5% 1/8W 0805"
R44: library part RES-0805/±1%, "RES SMD 5.23K OHM 1% 1/8W 0805"
R45: library part RES-0805/±5%, "RES SMD 100 OHM 5% 1/8W 0805"
R46: library part RES-0805/±1%, "RES SMD 360K OHM 1% 1/8W 0805"
R48: library part RES-0805/±1%, "RES SMD 30.1K OHM 1% 1/8W 0805"
R49: library part RES-0805/±1%, "RES SMD 120K OHM 1% 1/8W 0805"
R50: library part RES-0805/±1%, "RES SMD 287K OHM 1% 1/8W 0805"
R53: library part RES-0805/±1%, "RES SMD 36K OHM 1% 1/8W 0805"
S1: "CR1220 Battery Holder SMD"
S2: "CONN SD CARD PUSH-PUSH R/A SMD"
SB1: library part Connector-NSB, "Jumper, Connector, 2-pad"
SB2 SB3: library part Connector-SB, "Jumper, Connector, 2-pad"
SW1 SW2 SW3 SW4: library part SW2-PUSH/SPST/NO, "SWITCH TACTILE SPST-NO 0.02A 15V"
SW5: "SWITCH REED SPST-NO 350MA 140V"
SW6: library part SW-ROCKER/SPST/16A, "SWITCH ROCKER SPST 16A 125V"
TB1: library part TERM/3.81MM/4POS/GREEN, "TERM BLOCK 4POS 3.81MM PCB GRN"
TB2: library part TERM/3.81MM/2POS/GREEN, "TERM BLOCK 2POS 3.81MM PCB GRN"
TP1 TP2 TP3 TP4 TP5 TP6 TP7: library part Connector-TP, "Test Point, Pad, Hole"
U1 U2: "IC MCU 16BIT 16KB FLASH 28TSSOP"
XT1: library part XT-32768HZ/RADIAL, "CRYSTAL 32.7680KHZ 12.5PF T/H"

## Via types
v1: diameter 0.7, hole 0.4, Top Layer to Bottom Layer, 67 vias
v2: diameter 1.1, hole 0.7, Top Layer to Bottom Layer, 26 vias

## Nets (pads, with @x,y where several pads share a name; then routed paths per layer and width w, separated by ;. In a path a pad name is that pad's centre, name@x,y a point inside that pad or via, vN(x,y) a via of type N, cw(c..) or ccw(c..) an arc to the next point about the centre after c; other vN are vias at no path point)
2V8: C1.1 IC1.15 R9.2 R11.1 R12.2 R14.1 TP1.1 | length 52.2
  Top Layer w0.5: IC1.15@42.768,28.074 42.787,28.055 42.787,27.484 42.811,27.46 v2(42.811,23.991)
  Bottom Layer w0.5: TP1.1@35.052,42.926 35.052,39.37 36.538,37.884 40.894,37.884 ; C1.1@43.575,26.162 43.575,24.662 42.904,23.991 v2(42.811,23.991) 41.879,24.923 41.879,34.658 42.829,35.608 R12.2@42.829,35.758 42.829,35.908 40.894,37.843 40.894,37.884 ; R14.1@46.739,35.452 49.358,35.452 49.746,35.84 R9.2@49.746,35.99 49.526,36.21 49.526,36.834 48.476,37.884 ; R11.1@53.656,35.514 53.656,36.514 52.286,37.884 48.476,37.884 ; 40.894,37.884 48.476,37.884
3V3: C10.1 C13.1 C14.1 C32.1 C34.1 HD1.1 HD2.1 HD3.1 HD6.1 IC3.8 IC5.2 IC5.TAB JP3.2 JP4.2 R10.1 R13.1 R22.2 R23.2 R24.2 R25.2 R27.2 R31.2 R32.2 R33.2 R34.2 R35.1 S2.4 SW1.2 SW2.2 U1.1 U2.1 | length 410
  Top Layer w0.5: S2.4@31.271,60.414 33.312,60.414 34.036,59.69 SW2.2@34.036,37.258 35.734,37.258 36.576,38.1 48.26,38.1 ; HD2.1@44.412,81.026 46.062,82.676 56.506,82.676 58.038,81.144 58.038,75.917 U1.1@56.549,74.428 ; v2(49.784,31.242) 49.784,36.576 48.26,38.1 ; SW1.2@63.754,37.004 63.456,37.004 62.36,38.1 48.26,38.1 ; IC3.8@66.2,62.865 66.675,62.865 66.7,62.89 66.7,63.092 66.993,63.385 70.497,63.385 v2(70.612,63.5) 70.612,66.548 72.663,68.599 U2.1@73.145,68.599 ; v2(102.362,21.336) 109.189,21.336 109.474,21.621 IC5.TAB@109.474,21.938 ; C34.1@103.378,3.443 103.513,3.308 107.306,3.308 C32.1@107.442,3.172 107.542,3.172 109.474,5.104 v2(109.474,9.398) IC5.2@109.474,11.938
  Bottom Layer w0.5: R33.2@29.934,57.912 30.184,58.162 30.184,58.378 31.107,59.301 31.107,60.458 C14.1@31.355,60.706 31.355,65.993 29.68,67.668 R34.2@29.68,67.818 29.68,67.968 28.956,68.692 JP3.2@28.956,81.026 30.906,82.976 42.462,82.976 HD2.1@44.412,81.026 ; R33.2@29.934,58.062 R32.2@29.934,55.372 R31.2@29.934,52.832 29.934,39.662 32.338,37.258 SW2.2@34.036,37.258 ; R22.2@41.148,76.708 41.148,76.858 44.202,79.912 44.202,80.816 HD2.1@44.412,81.026 ; R13.1@42.829,33.472 42.829,33.322 44.909,31.242 v2@49.622,31.242 ; R10.1@49.746,33.046 R10.1@49.746,33.196 49.765,33.177 49.765,31.261 v2(49.784,31.242) ; 60.117,82.296 45.682,82.296 HD2.1@44.412,81.026 ; 60.178,82.276 HD1.1@56.388,78.486 56.515,78.359 56.515,74.408 C10.1@56.642,74.281 62.785,74.281 65.316,76.812 R27.2@65.316,76.962 ; 60.198,82.276 67.584,82.276 HD3.1@68.834,81.026 70.084,82.276 84.766,82.276 ; SW1.2@63.754,37.004 68.921,37.004 73.322,41.405 ; R25.2@66.04,59.728 66.29,59.478 67.08,59.478 68.43,58.128 68.6,58.298 69.474,58.298 70.612,59.436 v2(70.612,63.5) ; R23.2@68.58,63.538 68.599,63.519 v2@70.593,63.519 ; C13.1@73.406,70.725 C13.1@73.406,70.725 72.199,70.724 70.612,69.137 70.612,63.538 v2@70.593,63.519 ; R35.1@74.422,41.948 74.172,41.698 73.615,41.698 73.322,41.405 ; HD6.1@81.026,78.486 84.816,82.276 92.984,82.276 ; 93.019,82.241 JP4.2@94.742,80.518 94.742,69.85 88.392,63.5 v2(70.612,63.5) ; v2(109.474,9.398) 104.394,9.398 102.362,11.43 v2(102.362,21.336) 81.28,21.336 73.322,29.294 73.322,41.405 ; v2@70.593,63.519 v2(70.612,63.5)
GND: ANT1.2 ANT1.3 ANT1.4 ANT1.5 ANT2.2 ANT2.3 C1.2 C2.2 C3.2 C4.2 C5.2 C6.2 C7.2 C8.2 C9.2 C10.2 C11.2 C12.2 C13.2 C14.2 C15.2 C16.2 C17.2 C18.2 C20.2 C21.2 C22.2 C23.2 C24.1 C25.1 C26.2 C29.1 C31.2 C32.2 C33.2 C34.2 HD1.3 HD1.4 HD2.4 HD3.4 HD6.4 IC1.17 IC1.18 IC1.29 IC1.39 IC1.45 IC1.46 IC1.53 IC1.54 IC1.58 IC1.59 IC1.61 IC1.62 IC1.63 IC1.64 IC1.65 IC2.3 IC2.6 IC3.4 IC4.11 IC4.PAD IC5.1 J1.5 Q1.2 Q2.2 Q3.2 Q6.2 Q7.3 R4.2 R7.2 R8.2 R16.2 R21.1 R47.2 R48.2 R49.2 R53.1 S1.2 S2.3 S2.6 SW3.1 SW4.1 SW5.1 TB1.3 TB2.1 U1.28 U2.28 XT1.0 | length 17.5
  Top Layer w0.2: XT1.0@46.896,61.976 50.292,61.976 51.562,63.246 v2(51.562,67.056) ; U1.28@56.549,68.828 56.549,68.205 57.19,67.564 v2(57.404,67.564) ; C22.2@113.03,55.513 113.539,56.022 117.46,56.022 v2(117.602,55.88)
  Top Layer w0.5: IC1.18@36.768,24.074 IC1.18@36.799,24.105 ; v2@36.799,25.369 v2(36.83,25.4)
  Bottom Layer w0.2: IC4.11@117.34,54.158 117.34,55.618 v2(117.602,55.88)
  Bottom Layer w0.5: v2(117.602,55.88) IC4.PAD@117.602,55.896
  other v2: 19.558,10.414 80.772,15.494 131.064,53.086 29.771,62.992
NetANT1_1: ANT1.1 ANT2.1 IC1.60 | length 21.4
  Top Layer w0.2: IC1.60@60.768,16.074 63.064,16.074 ANT1.1@67.564,20.574 ; v1(67.056,9.652) ANT2.1@68.629,9.652
  Bottom Layer w0.2: v1(67.056,9.652) 67.056,19.307 67.124,19.375 67.124,20.134 ANT1.1@67.564,20.574
NetC3_1: C3.1 IC1.16 Q6.3 | length 12.7
  Top Layer w0.2: Q6.3@40.624,34.798 40.674,34.798 41.768,33.704 IC1.16@41.768,28.074 41.768,25.766 v1(40.64,24.638)
  Bottom Layer w0.2: C3.1@40.499,26.162 40.64,26.021 v1(40.64,24.638)
NetC15_1: C15.1 R36.1 U2.10 | length 35.1
  Top Layer w0.2: v1(78.232,44.45) 82.438,48.656 82.438,69.708 81.964,70.182 79.545,70.182 79.095,69.732 U2.10@79.095,69.082
  Bottom Layer w0.2: R36.1@76.962,41.948 C15.1@76.962,44.337 77.075,44.45 v1(78.232,44.45)
NetC16_1: C16.1 C17.1 C18.1 D1.3 D2.3 Q7.7 Q7.8 R42.1 TB1.1 | length 114.9
  Top Layer w0.2: Q7.7@106.518,54.787 Q7.8@107.918,54.787 109.539,54.787 110.34,55.588 109.22,56.708 v1(109.22,58.674) ; v1(109.22,64.262) 105.327,64.262 102.108,61.043 102.108,48.26 103.632,46.736 127.248,46.736 ; D1.3@123.444,63.76 D1.3@123.444,63.01 ; D2.3@131.572,41.662 131.572,42.412 127.248,46.736 ; TB1.1@138.4,60.642 137.448,59.69 126.764,59.69 D1.3@123.444,63.01 ; D1.3@123.444,63.01 120.832,60.398 120.832,53.152 127.248,46.736
  Bottom Layer w0.2: v1(109.22,58.674) v1(109.22,64.262) ; C18.1@128.778,61.084 129.088,61.394 132.373,61.394 C17.1@132.588,61.609 134.413,61.609 134.607,61.415 134.607,61.315 135.282,60.64 C16.1@135.382,60.64 135.384,60.642 TB1.1@138.4,60.642
NetC19_1: C19.1 D3.2 R38.2 | length 23.6
  Top Layer w0.2: D3.2@103.532,51.726 102.728,52.53 102.728,61.097 104.877,63.246 v1(109.982,63.246)
  Bottom Layer w0.2: v1(109.982,63.246) 109.982,60.768 110.998,59.752 C19.1@110.998,59.652 R38.2@112.776,59.652
NetC19_2: C19.2 IC4.14 L1.1 Q7.1 Q7.5 Q7.6 | length 37.8
  Top Layer w0.2: Q7.5@103.918,54.787 104.518,54.187 105.818,54.187 ; Q7.6@105.218,54.787 105.818,54.187 ; Q7.1@107.808,61.037 107.808,61.82 108.218,62.23 ; v1(114.255,55.372) 114.159,55.276 114.159,54.723 113.623,54.187 106.094,54.187 ; L1.1@116.967,68.072 116.967,67.662 115.862,66.557 115.325,66.557 v1(110.998,62.23) 108.218,62.23 ; 105.818,54.187 106.094,54.187 ; 106.094,54.187 105.913,54.368 105.913,61.742 106.401,62.23 108.218,62.23
  Bottom Layer w0.2: C19.2@110.998,61.252 v1(110.998,62.23) ; v1(114.255,55.372) 114.39,55.372 114.676,55.658 IC4.14@115.84,55.658
NetC22_1: C22.1 IC4.1 R42.2 TP6.1 | length 59.9
  Top Layer w0.2: TP6.1@101.6,30.48 101.6,61.101 105.523,65.024 v1(108.204,65.024) ; R42.2@110.49,57.188 112.955,57.188 C22.1@113.03,57.263 113.425,57.658 v1(116.078,57.658)
  Bottom Layer w0.2: v1(108.204,65.024) 114.808,65.024 116.078,63.754 v1(116.078,57.658) IC4.1@116.84,57.658
NetC23_1: C23.1 R39.2 R40.2 | length 6.4
  Top Layer w0.5: C23.1@121.412,40.541 121.496,40.625 124.885,40.625 R39.2@124.968,40.708 R40.2@127.762,40.708
NetC25_2: C25.2 D3.1 IC4.12 TP5.1 | length 55.1
  Top Layer w0.2: D3.1@105.432,51.726 C25.2@107.645,51.726 ; v1(105.918,52.832) 105.947,52.803 106.568,52.803 C25.2@107.645,51.726 ; v1(115.824,54.468) 113.031,51.675 C25.2@107.696,51.675 C25.2@107.645,51.726
  Bottom Layer w0.2: TP5.1@86.614,30.48 86.614,50.038 89.408,52.832 v1(105.918,52.832) ; v1(115.824,54.468) 115.836,54.456 116.8,54.456 116.84,54.416 IC4.12@116.84,54.158